# Allegro board reServer industrial J401 Carrier Board v11.brd (continued)
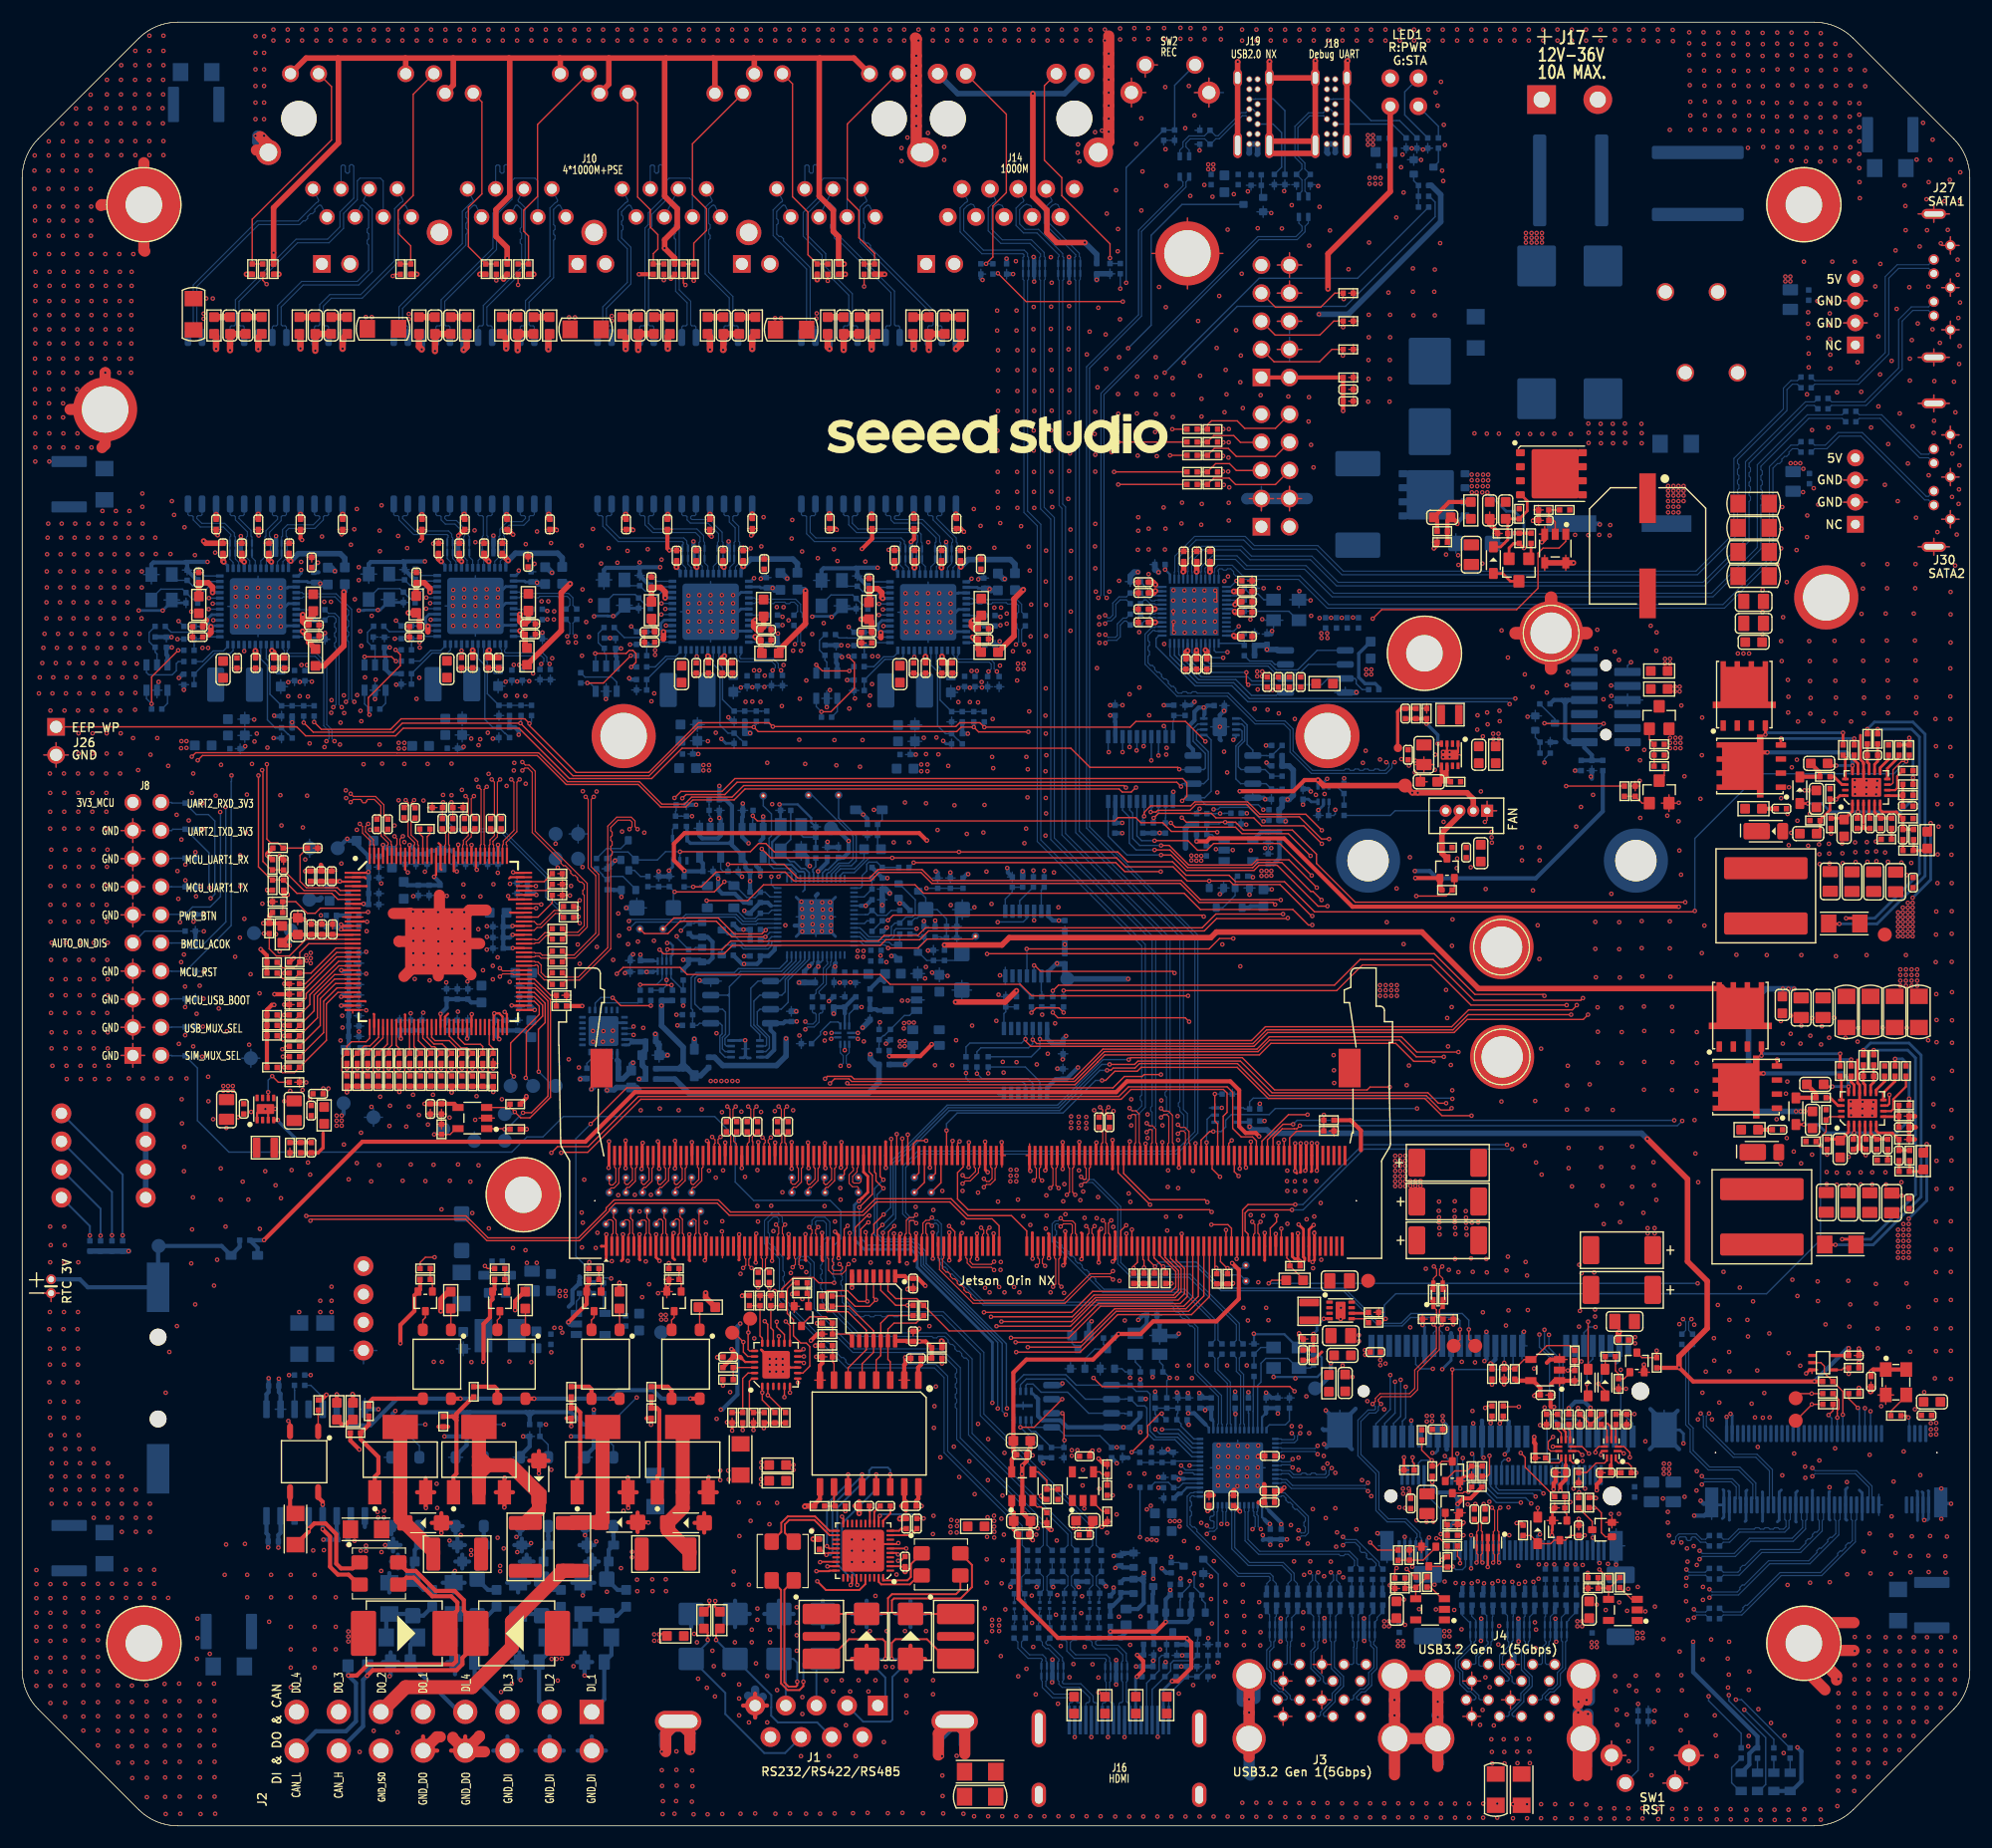
[diagram p0: board, top side]
## Routing (per net, layer and track width the routed paths; a pad name or vN(x,y) marks a point on that pad's centre or on a via; arc(x,y) is an arc through that point) (continued)
  BOTTOM w0.127: v1(90.77,79.25) 90.79,79.23 U6.4
I2C0_INT_GPIO12_3V3: length 63.4
  TOP w0.127: R386.1 v1(63.33,39.79)
  LAY3 w0.127: v1(88.16,81.66) 88.16,81.28 85.79,78.92 85.79,74.27 85.16,73.64 79.37,73.64 75.43,69.7 70.35,69.7 67.39,66.74 67.39,63.97 64.03,60.61 64.03,52.63 62.2,50.8 62.2,40.92 v1(63.33,39.79)
  BOTTOM w0.127: U6.11 90.79,82.01 90.47,81.69 88.18,81.69 v1(88.16,81.66)
I2C0_SCL: length 126
  TOP w0.127: R205.2 v1(100.44,50.4) 100.44,50.58 100.78,50.93 J9.185 ; TP77.1 65.63,45.67 v1(65.63,44.59) 65.6,44.56 65.6,43.06 65.73,42.92 U51.19 ; v1(103.73,123.85) R449.1
  LAY3 w0.127: v1(103.73,123.85) 103.73,123.4 99.53,119.21 99.53,106.6 104.21,101.93 104.21,96.4 100.42,92.61 100.42,88.93 100.71,88.64 100.71,51.76 100.44,51.48 v1(100.44,50.4) 100.44,49.88 99.36,48.8 96.46,48.8 95.53,49.73 85.45,49.73 85.11,50.07 72.78,50.07 72.07,49.36 72.07,47.85 69.34,45.12 67.59,45.12 67.06,44.59 v1(65.63,44.59)
I2C0_SDA: length 129.9
  TOP w0.127: R206.2 v1(101.38,50.45) 101.38,51.09 101.28,51.18 J9.187 ; TP76.1 64.33,44.56 v1(65.17,43.73) 65.17,42.82 65.57,42.42 U51.20 ; v1(103.93,126.22) R450.1
  LAY3 w0.127: v1(103.93,126.22) 104.48,125.66 104.48,123.64 99.81,118.97 99.81,106.72 104.48,102.04 104.48,96.35 100.7,92.56 100.7,89.04 100.99,88.75 100.99,50.84 v1(101.38,50.45) 99.49,48.56 96.21,48.56 95.35,49.43 85.28,49.43 84.97,49.74 72.91,49.74 72.39,49.22 72.39,47.71 69.47,44.79 67.69,44.79 66.49,43.59 65.31,43.59 v1(65.17,43.73)
I2C1_SCL: length 38.2
  TOP w0.127: v1(130.72,44.86) 130.72,43.96 TP74.1 ; J9.189 101.78,51.13 v1(102.37,50.55) 102.32,50.5 R203.2
  BOTTOM w0.127: v1(102.37,50.55) 102.77,50.95 106.09,50.95 108.45,48.59 119.47,48.59 122.65,45.41 124.61,45.41 125.5,46.3 130.12,46.3 130.72,45.7 v1(130.72,44.86) J5.30
I2C1_SDA: length 36.4
  TOP w0.127: v1(129.92,44.86) 129.92,43.94 TP75.1 ; J9.191 102.28,51.33 103.06,50.55 v1(103.11,50.55) 103.33,50.33 R204.2
  BOTTOM w0.127: v1(103.11,50.55) 106.14,50.55 108.33,48.36 119.38,48.36 122.56,45.18 124.7,45.18 125.46,45.94 129.65,45.94 129.92,45.66 v1(129.92,44.86) J5.32
I2C2_M2M_SCL: length 2.9
  TOP w0.127: R220.2 163.63,37.53 v1(163.23,37.13)
  BOTTOM w0.127: J21.40 163.52,36.84 v1(163.23,37.13)
I2C2_M2M_SDA: length 3.9
  TOP w0.127: v1(164.02,36.9) 164.02,37.29 164.02,37.29 164.02,37.53 164.17,37.69 164.17,38.52 R216.2
  BOTTOM w0.127: J21.42 v1(164.02,36.9)
I2C2_SCL: length 227
  TOP w0.127: v1(59.66,92.86) 59.99,93.2 63.49,93.2 64.61,94.31 104.33,94.31 v1(104.72,93.92) ; R485.1 23.78,70.45 v1(23.51,70.18) ; TP79.1 161.72,38.07 v1(161.72,38.09) R220.1 ; J9.232 112.53,62 113.94,63.4 v1(114.85,63.4)
  LAY3 w0.127: v1(59.53,80.9) 59.05,80.9 58.73,80.58 58.73,77.3 59.16,76.87 59.16,75.94 58.83,75.61 58.53,75.61 58.53,75.61 53.02,75.61 47.24,69.83 24.37,69.83 23.84,69.84 v1(23.51,70.18) ; v1(149.29,63.76) 149.42,63.63 149.42,53.13 156.58,45.96 156.58,42.65 161.14,38.09 v1(161.72,38.09) ; v1(114.85,63.4) 114,64.25 113.95,64.48 113.95,70.58 115.08,71.71 115.08,87.48 112.18,90.38 v1(112.18,90.78)
  LAY4 w0.127: v1(107.66,91.86) 107.66,92.08 106.21,93.53 105.12,93.53 v1(104.72,93.92) ; v1(59.66,92.86) 59.45,92.66 59.45,90.15 61.56,88.04 61.56,84.15 59.53,82.12 v1(59.53,80.9)
  BOTTOM w0.127: Q13.2 60.79,81.62 60.72,81.55 R134.2 60.18,81.55 v1(59.53,80.9) ; v1(107.66,91.86) 108.05,91.86 108.24,92.04 110.85,92.04 112.11,90.78 v1(112.18,90.78) 112.26,90.86 R99.2 ; v1(149.29,63.76) 115.21,63.76 v1(114.85,63.4) ; U15.6 106.23,99.07 106.12,98.95 106.12,98.14 107.18,97.07 107.18,94.59 106.77,94.18 U16.6 104.85,94.18 104.72,94.05 v1(104.72,93.92)
I2C2_SDA: length 229.3
  TOP w0.127: v1(115.46,63.27) 115.18,63 114.95,63 114.95,62.99 113.86,62.99 113.03,62.17 J9.234 ; R216.1 v1(161.71,39.06) 160.68,39.06 TP78.1 ; R486.1 v1(23.56,69.51) ; v1(58.95,92.89) 59.54,93.49 63.25,93.49 64.41,94.64 104.87,94.64 105.25,94.26 105.25,93.05 v1(104.82,92.63)
  LAY3 w0.127: v1(150.01,63.71) 149.74,63.44 149.74,53.26 157.04,45.96 157.04,43.67 161.65,39.06 v1(161.71,39.06) ; v1(23.56,69.51) 28.36,69.51 28.41,69.57 47.49,69.57 53.26,75.34 59.35,75.34 59.58,75.57 59.58,77.04 59.15,77.47 v1(59.15,80.39) ; v1(115.46,63.27) 115.18,62.99 114.71,62.99 113.75,63.95 113.72,64.06 113.72,70.68 114.85,71.8 114.85,87.33 111.68,90.5 111.68,91.35 v1(112.15,91.83)
  LAY4 w0.127: v1(59.15,80.39) 59.1,80.44 59.1,82.3 61.13,84.33 61.13,87.86 59.15,89.84 59.15,92.74 59,92.89 v1(58.95,92.89)
  BOTTOM w0.127: v1(104.82,92.63) 105.11,92.91 U16.5 106.31,92.91 ; v1(115.46,63.27) 149.57,63.27 v1(150.01,63.71) ; 106.31,92.91 106.86,92.91 107.44,93.49 107.44,98.13 107,98.57 U15.5 ; 106.31,92.91 106.95,92.27 111.71,92.27 v1(112.15,91.83) R95.2 ; Q15.2 60.85,79.37 60.67,79.19 R143.2 59.15,80.27 v1(59.15,80.39)
I2S1_LRCK: length 41.6
  TOP w0.127: v1(110.58,59.49) 110.53,59.54 J9.224
  LAY3 w0.127: v1(131.02,33.62) 131.02,34.48 129.91,35.59 122.85,35.59 114.83,43.61 114.83,49.83 114.82,49.83 110.58,54.07 v1(110.58,59.49)
  BOTTOM w0.127: J6.28 131.18,33.46 v1(131.02,33.62)
I2S1_SCLK: length 43.5
  TOP w0.127: v1(111.03,61.83) J9.226
  LAY3 w0.127: v1(128.56,33.42) 128.56,33.94 128.06,34.44 122.32,34.44 113.68,43.08 113.68,49.47 109.52,53.64 109.52,60.31 v1(111.03,61.83)
  BOTTOM w0.127: J6.20 129.18,32.8 v1(128.56,33.42)
I2S1_SDIN: length 41.2
  TOP w0.127: J9.222 110.03,59.39 v1(110.02,59.39)
  LAY3 w0.127: v1(110.02,59.39) 110.33,59.08 110.33,53.79 114.44,49.67 114.44,43.44 122.67,35.21 129.38,35.21 130.18,34.4 v1(130.18,33.24)
  BOTTOM w0.127: J6.24 v1(130.18,33.24)
I2S1_SDOUT: length 41.2
  TOP w0.127: v1(109.92,58.73) 109.53,59.12 J9.220
  LAY3 w0.127: v1(129.68,33.64) 129.68,34.32 129.2,34.8 122.52,34.8 114.04,43.28 114.04,49.61 109.82,53.83 109.82,58.63 v1(109.92,58.73)
  BOTTOM w0.127: J6.22 v1(129.68,33.64)
IFP_TERM_EN: length 20.7
  LAY3 w0.381: v1(89.31,21.58) v1(91.67,21.58) v1(93.17,21.58) v1(95.48,21.58) 97.87,21.58 v1(97.93,21.64)
  LAY4 w0.381: v1(97.93,21.64) 98.62,22.33 v1(102.21,22.33)
  BOTTOM w0.381: R244.1 97.55,22.07 97.93,21.69 v1(97.93,21.64) ; R251.1 89.31,21.81 v1(89.31,21.58) ; R250.1 R249.1 91.8,21.72 v1(91.67,21.58) ; v1(93.17,21.58) 93.07,21.68 R248.1 R247.1 ; v1(95.48,21.58) 95.28,21.78 R246.1 R245.1 ; Q19.3 v1(102.21,22.33)
ILIM_DC1: length 2.6
  TOP w0.254: U31.10 168.54,95.55 169.6,96.61 R194.1
ILIM_DC2: length 2.6
  TOP w0.254: U25.10 168.19,66.24 169.24,67.3 R176.1
INTB: length 6.3
  TOP w0.127: R447.1 D77.2 107.68,125.64 109.48,125.64 110.09,125.02 J25.7
JMB_SPI_CS: length 15.4
  BOTTOM w0.127: U75.1 117.02,106.23 115.25,104.46 113.34,104.46 112.77,105.03 107.3,105.03 106.52,105.81 U76.5
JMB_SPI_HOLD: length 4
  BOTTOM w0.127: U75.7 113.2,104.96 112.89,105.26 110.92,105.26 R453.2
JMB_SPI_SCK: length 11.7
  BOTTOM w0.127: U75.6 113.07,103.69 112.84,103.46 111.12,103.46 110.74,103.84 106.54,103.84 104.52,105.86 U76.10
JMB_SPI_SI: length 12.7
  BOTTOM w0.127: U75.5 113.58,102.42 113.33,102.16 111.09,102.16 109.66,103.59 106.32,103.59 104.12,105.78 U76.11
JMB_SPI_SO: length 15.7
  BOTTOM w0.127: U75.2 116.22,104.96 115.48,104.22 113.17,104.22 112.59,104.8 106.94,104.8 105.72,106.02 U76.7
JMB_SPI_WP: length 20.2
  TOP w0.127: v1(110.63,104.24) 110.63,103.87 110.62,103.87 110.62,103.29 v1(110.8,103.12)
  BOTTOM w0.127: v1(110.8,103.12) 117.42,103.12 117.99,103.69 U75.3 120.42,103.69 120.55,103.56 120.55,103.22 121.08,102.69 R452.2 ; U76.9 104.92,105.95 106.63,104.24 v1(110.63,104.24)
LAA_N79_TX_EN_1V8: length 100.8
  TOP w0.127: J9.97 76.78,53.45 76.95,53.62 76.95,54.36 v1(77.84,55.25) ; v1(99.99,69.24) 100.17,69.42 110.26,69.42 113.17,66.5 121.54,66.5 121.8,66.77 v1(123.58,66.77)
  LAY3 w0.127: v1(123.58,66.77) 123.58,64.19 137.1,50.67 v1(137.1,44.4)
  BOTTOM w0.127: J6.60 139.18,32.8 138.84,33.14 138.03,33.14 137.8,33.37 137.8,36.26 138.02,36.48 138.02,42.35 137.1,43.27 v1(137.1,44.4) ; v1(77.84,55.25) 78.48,55.88 78.48,60.02 78.53,60.07 78.53,60.07 83.59,65.13 93.55,65.13 97.67,69.24 v1(99.99,69.24)
LAN_XI: length 4.9
  BOTTOM w0.127: U38.47 16.58,112.45 16.2,112.06 15.4,112.06 C181.1 14.05,112.56 X3.1
LAN_XI_31551945: length 4.9
  BOTTOM w0.127: X4.1 33.69,112.6 C429.1 35.05,112.11 35.84,112.11 36.23,112.49 U30.47
LAN_XI_31557312: length 4.9
  BOTTOM w0.127: U48.47 57.48,111.97 57.09,111.58 56.3,111.58 C466.1 54.95,112.07 X5.1
LAN_XI_31559942: length 4.9
  BOTTOM w0.127: X6.1 74.61,112.03 C506.1 75.96,111.54 76.75,111.54 77.14,111.92 U71.47
LAN_XO: length 2.2
  BOTTOM w0.127: R239.1 16.31,111.42 16.84,111.95 U38.46
LAN_XO_31551942: length 2.2
  BOTTOM w0.127: R552.1 35.95,111.46 36.49,111.99 U30.46
LAN_XO_31557309: length 2.2
  BOTTOM w0.127: R577.1 57.2,110.93 57.74,111.47 U48.46
LAN_XO_31559939: length 2.2
  BOTTOM w0.127: U71.46 77.4,111.42 76.86,110.89 R601.1
LAN_XO_R: length 5.2
  BOTTOM w0.127: R239.2 15.5,110.86 15.4,110.86 C169.1 14.5,111.76 12.53,111.76 11.68,110.91 X3.3
LAN_XO_R_31551943: length 5.2
  BOTTOM w0.127: X4.3 31.32,110.95 32.17,111.8 34.14,111.8 C430.1 35.04,110.9 35.14,110.9 R552.2
LAN_XO_R_31557310: length 5.2
  BOTTOM w0.127: X5.3 52.57,110.43 53.43,111.28 55.39,111.28 C467.1 56.29,110.38 56.39,110.38 R577.2
LAN_XO_R_31559940: length 5.2
  BOTTOM w0.127: X6.3 72.23,110.38 73.08,111.23 75.05,111.23 C507.1 75.95,110.33 76.05,110.33 R601.2
LDO_5V_IN: length 4.8
  TOP w0.381: v1(78.35,69.56) 81.15,69.56 82.19,70.6 v1(82.19,70.64)
  BOTTOM w0.381: R189.1 v1(78.35,69.56)
LED1_CTRL: length 3.2
  BOTTOM w0.127: R4.2 R5.2 R1.2 125.75,148.67 Q1.1
LED_WWAN: length 70.4
  LAY3 w0.127: v1(154.22,11.81) 154.47,11.81 154.88,12.22 154.88,38.31 v1(152.14,41.05)
  LAY4 w0.127: v1(152.14,41.05) 150.61,42.57 128.74,42.57 v1(127.47,41.3)
  BOTTOM w0.127: v1(127.47,41.3) 126.33,41.3 125.92,41.71 J5.42 ; LED3.2 156.96,3.15 157.55,3.74 157.55,7.98 154.22,11.31 v1(154.22,11.81)
M2B_DPR_1V8: length 5.1
  TOP w0.127: Q24.3 128.29,23.45 128.35,23.39 R295.2 128.84,23.44 v1(129.26,23.44)
  BOTTOM w0.127: v1(129.26,23.44) 129.54,23.16 130.15,23.16 130.43,23.44 J6.25
M2B_DPR_3V3: length 69.4
  TOP w0.127: R288.1 122.49,24.92 v1(121.81,25.61) ; v1(68.38,44.25) U51.15
  LAY3 w0.127: v1(68.38,44.25) 81.75,44.25 82.67,43.33 90.09,43.33 96.26,37.16 96.26,30.48 97.39,29.35 99.93,29.35 104.8,24.49 120.69,24.49 v1(121.81,25.61)
M2B_PCIE_HSD4_N: length 33.5
  TOP w0.107: v1(122.79,38.13) 122.55,38.37 122.55,38.52 122.81,38.79 125.47,38.79 126.1,39.42 126.1,41.07 128.06,43.03 128.06,45.06 v1(128.3,45.31) 128.4,45.4 D66.2 128.07,46.12 128.07,46.35 128.07,46.51 128.07,46.64 128.37,46.93 ; R302.1 128.42,47.11 L29.4 128.37,46.93 ; 128.37,46.93 128.37,46.9
  BOTTOM w0.107: J5.36 128.32,44.56 128.06,44.83 128.06,45.06 v1(128.3,45.31) ; v1(122.79,38.13) 122.55,37.88 122.55,37.56 122.3,37.31 121.73,37.31 120.97,36.55 120.97,33.56 122.6,31.93 122.6,28.6 123.46,27.74 125.06,27.74 126.32,26.48 126.32,26.1 126.43,25.99 J6.9
M2B_PCIE_HSD4_P: length 33.4
  TOP w0.107: 127.52,46.92 L29.1 127.48,47.11 R303.1 ; 127.52,46.92 127.8,46.64 127.8,46.62 127.8,46.35 127.8,46.12 D65.2 127.55,45.72 v1(127.55,45.31) 127.79,45.06 127.79,43.14 125.83,41.19 125.83,39.54 125.36,39.06 122.7,39.06 122.28,38.63 122.28,38.37 v1(122.03,38.13) ; 127.52,46.92 127.52,46.92
  BOTTOM w0.107: J5.38 127.52,44.56 127.79,44.83 127.79,45.06 v1(127.55,45.31) ; v1(122.03,38.13) 122.28,37.88 122.28,37.67 122.19,37.58 121.62,37.58 120.7,36.66 120.7,33.44 122.33,31.82 122.33,28.49 123.35,27.47 124.95,27.47 126.05,26.37 126.05,26.1 125.93,25.99 J6.7
M2B_PCIE_RESET: length 141.6
  TOP w0.127: U53.2 139.63,41.19 v1(139.67,41.15) R316.1 R315.2 ; v1(127.54,69.09) 125.75,69.09 124.12,70.72 112.84,70.72 111.8,69.67 97.82,69.67 97.21,69.06 97.21,69.05 95.14,66.97 74.7,66.97 v1(74.56,67.11) ; U51.11 70.64,42.42 v1(70.64,42.42) ; v1(135.41,33.7) 135.82,33.29 135.82,32.41 R327.2
  LAY3 w0.127: v1(127.54,69.09) 127.54,63.77 139.67,51.63 v1(139.67,41.15) 139.67,38.86 140.17,38.36 140.17,36.78 139.41,36.02 138.27,36.02 135.95,33.7 v1(135.41,33.7) ; v1(70.64,42.42) 69.83,43.23 65.07,43.23 64.39,43.91 64.39,50.63 67.39,53.63 67.39,54.42 68.77,55.8 69.51,55.8 70.41,56.69 70.41,61.91 74.56,66.06 v1(74.56,67.11)
M2B_POWER_OFF#: length 39.2
  TOP w0.127: J9.212 107.53,59.37 v1(108.24,58.66) ; R291.1 125.79,32.75 125.65,32.9 v1(125.65,33.3)
  LAY3 w0.127: v1(108.24,58.66) 109.21,57.69 109.21,53.39 113.33,49.28 113.33,42.93 122.24,34.01 124.93,34.01 v1(125.65,33.3)
  BOTTOM w0.127: v1(125.65,33.3) 125.65,32.9 125.68,32.86 J6.6
M2B_SSRX4_N: length 5.3
  TOP w0.107: C43.1 131.58,27.35 131.58,26.72 131.44,26.58 U43.5 U43.6 131.44,24.62 131.55,24.5 131.55,23.92 v1(131.42,23.79)
  BOTTOM w0.107: v1(131.42,23.79) 131.43,23.8 J6.29
M2B_SSRX4_P: length 5.3
  TOP w0.107: v1(131.96,23.79) 131.82,23.93 131.82,24.5 131.94,24.62 U43.7 U43.4 131.94,26.58 131.85,26.67 131.85,27.36 C44.1
  BOTTOM w0.107: v1(131.96,23.79) 131.93,23.82 J6.31
M2B_SSTX4_N: length 82.6
  TOP w0.107: v1(132.92,23.79) 133.05,23.92 133.05,24.5 132.94,24.62 U43.9 U43.2 132.94,26.58 133.05,26.69 133.05,28.51 v1(132.81,28.76) ; C216.1 v1(66.51,48.65)
  LAY4 w0.084: v1(132.81,28.76) 133.07,29.02 133.07,29.83 131.31,31.59 126.49,31.59 125.42,32.66 121.79,32.66 116.48,37.97 91.07,37.97 84.77,44.27 75.48,44.27 72.79,46.96 67.66,46.96 66.9,47.73 66.9,48.24 66.51,48.63 v1(66.51,48.65)
  BOTTOM w0.107: v1(132.92,23.79) 132.93,23.8 J6.35
M2B_SSTX4_P: length 82.6
  TOP w0.107: v1(133.57,28.76) 133.32,28.51 133.32,26.69 133.44,26.58 U43.1 U43.10 133.44,24.62 133.32,24.5 133.32,23.93 v1(133.46,23.79) ; C217.1 v1(67.52,48.63)
  LAY4 w0.084: v1(133.57,28.76) 133.31,29.02 133.31,29.93 131.41,31.83 126.59,31.83 125.52,32.9 121.89,32.9 116.58,38.2 91.17,38.2 84.87,44.5 75.58,44.5 72.89,47.2 67.76,47.2 67.13,47.82 67.13,48.24 v1(67.52,48.63)
  BOTTOM w0.107: J6.37 133.43,23.82 v1(133.46,23.79)
M2B_STATUS_LED: length 45
  LAY3 w0.127: v1(128.19,26.37) 128.77,25.78 141.06,25.78 141.83,25.02 143.4,25.02 152.82,15.6 152.82,12.14 v1(152.39,11.71)
  BOTTOM w0.127: v1(128.19,26.37) 128.19,28.63 126.68,30.13 J6.10 ; R59.2 155.34,8.36 152.39,11.31 v1(152.39,11.71)
M2B_SUSCLK_32KHZ: length 67.4
  LAY3 w0.127: v1(141.23,30.47) 141.5,30.47 143.34,32.31 145.73,32.31 146.25,32.83 146.25,35.53 143.88,37.9 143.88,50.32 129.58,64.63 129.58,65.36 v1(129.24,65.7)
  BOTTOM w0.127: v1(129.24,65.7) 129.17,65.76 111.24,65.76 110.92,65.44 R195.2 110.45,64.79 110.35,64.89 U33.4 ; v1(141.23,30.47) 141.18,30.52 J6.68
M2B_USIM_CLK: length 18.7
  TOP w0.127: v1(145.28,33.3) 145.28,33.74 144.74,34.27 U46.2
  LAY3 w0.127: v1(145.28,33.3) 145.2,33.22 143.12,33.22 141.34,31.45 140.02,31.45 139.42,30.84 139.42,29.9 138.65,29.14 v1(136.36,29.14)
  BOTTOM w0.127: J6.32 132.18,30.73 133.27,29.64 135.86,29.64 v1(136.36,29.14)
M2B_USIM_DATA: length 15.2
  TOP w0.127: U46.6 142.46,34.27 142.17,33.98 v1(142.17,33.75)
  LAY3 w0.127: v1(136.76,29.76) 137.04,29.48 137.62,29.48 137.94,29.8 137.94,31.04 138.63,31.73 141.13,31.73 142.17,32.76 v1(142.17,33.75)
  BOTTOM w0.127: J6.34 132.68,30.68 133.33,30.04 136.48,30.04 v1(136.76,29.76)
M2B_USIM_PWR: length 14.3
  TOP w0.127: v1(141.58,33.65) 140.96,34.27 U45.2
  LAY3 w0.127: v1(137.47,30.04) 137.47,31.15 138.29,31.98 141.06,31.98 141.58,32.5 v1(141.58,33.65)
  BOTTOM w0.127: v1(137.47,30.04) 137.16,30.35 133.45,30.35 133.18,30.61 J6.36
M2B_USIM_RST: length 12.1
  TOP w0.127: U45.6 v1(138.32,34.27)
  LAY3 w0.127: v1(135.42,29.21) 135.42,29.8 138.32,32.69 v1(138.32,34.27)
  BOTTOM w0.127: v1(135.42,29.21) 133.21,29.21 131.68,30.74 J6.30
M2B_W_DISABLE1#: length 71.6
  TOP w0.127: v1(84.71,61.85) 84.53,61.67 J9.128 ; R307.1 132.38,31.59 132.59,31.79 v1(132.59,33.45)
  LAY3 w0.127: v1(114.33,54.41) 114.33,51.06 115.82,49.57 115.82,43.13 123.03,35.92 130.34,35.92 132.59,33.67 v1(132.59,33.45)
  LAY4 w0.127: v1(114.33,54.41) 114.33,54 113.4,53.07 111.24,53.07 109.07,55.23 109.07,56.48 104.77,60.78 98.65,60.78 97.21,62.22 85.08,62.22 v1(84.71,61.85)
M2B_W_DISABLE2#: length 79
  TOP w0.127: v1(130.24,26.26) R296.1 ; J9.126 84.03,61.85 v1(84.08,61.9)
  LAY3 w0.127: v1(105.8,59.19) 105.6,59 105.6,49.13 103.21,46.73 103.21,39.71 104.5,38.42 114.69,38.42 119.77,33.33 119.77,31.38 124.07,27.08 129.43,27.08 130.24,26.27 v1(130.24,26.26)
  LAY4 w0.127: v1(105.8,59.19) 105.02,59.98 98.23,59.98 96.87,61.34 84.63,61.34 v1(84.08,61.9)
M2B_WOWWAN#_1V8: length 86.2
  TOP w0.127: v1(104.13,77.07) 103.98,77.22 92.04,77.22 91.51,77.75 v1(91.44,77.75) ; v1(127.79,25.98) 128.09,25.98 R298.2
  LAY3 w0.127: v1(104.13,77.07) 103.83,76.76 103.83,65.86 105.29,64.41 105.29,49.26 102.89,46.87 102.89,39.49 104.28,38.1 114.62,38.1 119.46,33.27 119.46,31.27 123.95,26.77 127.09,26.77 127.79,26.08 v1(127.79,25.98)
  BOTTOM w0.127: U6.3 v1(91.44,77.75)
M2B_WOWWAN#_3V3: length 52.4
  TOP w0.127: U51.14 68.88,44.4 68.19,45.09 v1(68.19,45.55)
  LAY3 w0.127: v1(68.19,45.55) 68.72,46.09 68.72,51.84 69.94,53.06 69.94,54.92 71.82,56.79 71.82,62.01 79.27,69.45 85.19,69.45 87.16,71.42 87.16,77.49 91.44,81.77 v1(91.44,81.83)
  BOTTOM w0.127: U6.12 v1(91.44,81.83)
M2M_ALERT*: length 8
  TOP w0.127: v1(164.52,37.15) 164.52,39.26 R213.2 162.85,40.93 162.85,41.55 162.54,41.86 U34.2
  BOTTOM w0.127: J21.44 v1(164.52,37.15)
M2M_ALERT_3V3: length 93.3
  TOP w0.127: U34.4 164.43,41.21 164.61,41.39 R212.2 v1(165.05,40.85) ; J9.130 85.03,59.54 84.52,59.03 84.52,56.64 85.49,55.68 107.28,55.68 v1(107.49,55.48)
  LAY4 w0.127: v1(165.05,40.85) 165.05,41.12 153.33,52.83 110.86,52.83 108.27,55.43 107.54,55.43 v1(107.49,55.48)
M2M_SUSCLK_32KHZ: length 2.2
  TOP w0.127: R237.2 170.29,37.07 v1(170.45,36.91)
  BOTTOM w0.127: v1(170.45,36.91) 170.52,36.84 J21.68
M.2_WLAN_TX_EN_1V8: length 77.4
  TOP w0.127: J9.112 80.53,61.63 80.82,61.92 v1(81.69,61.92)
  LAY3 w0.127: v1(134.31,33.1) 133.62,33.1 130.55,36.17 123.18,36.17 116.07,43.28 v1(116.07,54.81)
  LAY4 w0.127: v1(116.07,54.81) 113.83,54.81 113.04,54.02 110.61,54.02 109.3,55.33 109.3,56.63 104.92,61.01 98.78,61.01 97.32,62.46 82.23,62.46 v1(81.69,61.92)
  BOTTOM w0.127: v1(134.31,33.1) 133.91,33.1 133.68,32.87 J6.38
MCT: length 7.3
  LAY3 w0.381: J14.1 85.91,143.13 87.45,143.13 v1(88.96,141.62)
  BOTTOM w0.381: C184.1 v1(88.96,141.62)
MCU_ADC0: length 10.5
  BOTTOM w0.127: U23.38 75.71,81.15 76.52,80.34 78.31,80.34 78.54,80.57 78.54,81.26 78.87,81.59 R132.1 79.86,82.14 80.45,82.14 80.7,82.4 80.7,83.69 79.26,85.13 Q9.2
MCU_ADC1: length 14
  LAY3 w0.127: v1(80.83,81.08) 80.83,83.84 v1(81.72,84.73)
  BOTTOM w0.127: R121.2 R122.1 C88.1 v1(81.72,84.73) ; U23.39 75.71,80.75 76.37,80.09 78.49,80.09 78.8,80.39 78.8,80.9 78.97,81.08 v1(80.83,81.08)
MCU_ADC2: length 5.4
  BOTTOM w0.127: R139.1 79.3,79.74 Q14.2 78.6,79.6 78.34,79.86 76.2,79.86 75.71,80.35 U23.40
MCU_ADC3: length 11.7
  TOP w0.127: TP4.1 85.89,80.14 81.78,80.14 80.97,79.33 v1(78.25,79.33)
  BOTTOM w0.127: v1(78.25,79.33) 77.97,79.6 76.06,79.6 75.71,79.95 U23.41
MCU_I2C0_SCL: length 6.2
  BOTTOM w0.127: Q13.3 63.32,80.96 63.74,80.54 R136.2 65.33,79.48 67.19,79.48 67.47,79.75 67.47,80.09 67.73,80.35 U23.3
MCU_I2C0_SDA: length 6.3
  BOTTOM w0.127: Q15.3 63.22,79.24 63.58,79.6 R142.2 64.83,79.6 65.18,79.25 67.42,79.25 67.72,79.55 67.72,79.83 67.84,79.95 U23.2
MCU_I2C1_SCL: length 12.1
  TOP w0.127: v1(67.19,80.95) 66.85,80.61 64.34,80.61 62.91,82.04 58.89,82.04 TP6.1
  BOTTOM w0.127: R135.2 67.14,81 v1(67.19,80.95) 67.39,81.15 U23.5
MCU_I2C1_SDA: length 14.4
  TOP w0.127: v1(67.16,80.34) 64.13,80.34 62.72,81.75 59.47,81.75 58.36,80.64 56.24,80.64 TP5.1
  BOTTOM w0.127: R140.2 66.88,80.06 v1(67.16,80.34) 67.57,80.75 U23.4
MCU_RST: length 87.8
  TOP w0.127: 76.93,91.78 v1(76.97,91.82)
  LAY3 w0.127: v1(76.97,91.82) 74.17,94.62 51.9,94.62 49.36,97.15 41.97,97.15 39.33,94.52 19.33,94.52 v1(18.92,94.93)
  BOTTOM w0.127: v1(18.92,94.93) 18.92,94.39 18.89,94.36 18.89,81.36 14.76,77.23 D28.2 13.51,77.23 13.5,77.24 J8.8 ; v1(76.97,91.82) D26.1 77.71,90.91 R100.2 C76.1 77.3,88.57 FB3.1
MCU_UART1_RX: length 65.6
  LAY3 w0.127: v1(14.75,86.87) 15.26,86.87 19.83,91.44 47.95,91.44 51.86,87.53 51.86,82.76 52.85,81.77 v1(54.83,81.77)
  BOTTOM w0.127: U23.7 66.5,81.95 66.29,81.74 65.16,81.74 64.53,82.37 59.98,82.37 59.53,81.92 54.98,81.92 v1(54.83,81.77) ; v1(14.75,86.87) 14.75,87.43 D23.2 13.54,87.45 13.5,87.4 J8.16
MCU_UART1_TX: length 66.5
  LAY3 w0.127: v1(54.86,81.08) 52.9,81.08 51.45,82.53 51.45,87.45 47.74,91.16 20.46,91.16 v1(14.75,85.45)
  BOTTOM w0.127: v1(54.86,81.08) 55.45,81.67 59.63,81.67 60.09,82.13 64.41,82.13 65.06,81.48 66.36,81.48 66.42,81.55 U23.6 ; J8.14 13.5,84.86 13.5,84.86 D24.2 14.75,84.88 v1(14.75,85.45)
MCU_USB_BOOT: length 52.3
  LAY3 w0.127: v1(59.12,73.3) 58.77,72.95 51.43,72.95 47.77,69.29 28.69,69.29 28.44,69.04 18.61,69.04 14.73,72.92 v1(14.73,73.99)
  BOTTOM w0.127: R169.2 v1(59.12,73.3) ; J8.6 13.5,74.7 13.53,74.74 D30.2 v1(14.73,73.99)
MCU_USB_DN: length 8.6
  LAY4 w0.084: v1(70.77,71.98) 71.01,72.21 73.98,72.21 74.21,71.98 74.21,71.74 74.13,71.66 v1(73.14,71.66)
  BOTTOM w0.107: R161.1 72.34,73.56 72.24,73.45 72.12,73.45 72.01,73.35 72.01,72.63 71.57,72.19 70.99,72.19 v1(70.77,71.98) ; U29.7 v1(73.14,71.66)
MCU_USB_DP: length 8.6
  LAY4 w0.084: v1(70.77,72.68) 71.01,72.45 74.08,72.45 74.45,72.08 74.45,71.74 74.53,71.66 v1(75.52,71.66)
  BOTTOM w0.107: U29.1 v1(75.52,71.66) ; v1(70.77,72.68) 70.99,72.46 71.46,72.46 71.74,72.74 71.74,73.35 71.63,73.45 71.51,73.45 71.4,73.56 R162.1
MOD_SLEEP*: length 204.2
  TOP w0.127: J9.178 99.03,59.03 v1(101.92,56.14) ; R218.1 v1(98.54,29.87)
  LAY3 w0.127: v1(104.97,132.23) 105.02,132.18 105.02,123.42 100.35,118.74 100.35,106.94 105.02,102.26 105.02,95.1 103.42,93.5 103.42,87.63 102.11,86.32 102.11,61.84 101.92,61.65 v1(101.92,56.14) 101.92,48.52 98.54,45.14 v1(98.54,29.87)
  LAY4 w0.127: v1(98.54,29.87) 95.98,29.87 95.03,30.82 90.41,30.82 81.13,40.11 72.69,40.11 72.31,40.49 65.87,40.49 63.29,43.07 63.29,48.73 62.37,49.65 53.41,49.65 v1(53.23,49.46)
  BOTTOM w0.127: v1(53.23,49.46) 53.17,49.52 52.09,49.52 51.63,49.06 R67.1 ; R5.1 127.16,147.26 127.68,146.74 127.68,145.42 119.58,137.31 109.8,137.31 105.02,132.54 105.02,132.29 v1(104.97,132.23)
MODE_0: length 97.6
  TOP w0.178: U42.29 72.94,23.46 72.92,23.45 v1(72.76,23.45)
  LAY3 w0.178: v1(72.76,23.45) 72.76,22.35 71.95,21.54 66.84,21.54 62.86,25.52 53.77,25.52 52.39,26.89 37.73,26.89 36.67,25.82 31.67,25.82 30.18,27.31 15.51,27.31 7.43,35.38 7.43,52.04 v1(6.12,53.35)
  BOTTOM w0.178: SW3.1 6.12,54.2 v1(6.12,53.35) R391.2
MODE_1: length 101.9
  TOP w0.178: U42.36 76.2,21.86 75.65,21.31 72.64,21.31 v1(71.85,22.1)
  LAY3 w0.178: v1(7.09,53.33) 7.87,52.56 7.87,35.56 15.74,27.69 30.41,27.69 31.85,26.25 36.49,26.25 37.56,27.32 52.57,27.32 53.94,25.95 63.04,25.95 66.89,22.1 v1(71.85,22.1)
  BOTTOM w0.178: R392.2 v1(7.09,53.33) 7.09,55.77 SW3.2
MODE_2: length 101.5
  TOP w0.178: v1(72.1,23.83) 72.14,23.86 U42.28
  LAY3 w0.178: v1(8.12,53.37) 8.27,53.21 8.27,35.82 15.92,28.17 30.54,28.17 32.03,26.69 36.31,26.69 37.38,27.75 52.75,27.75 54.12,26.38 63.22,26.38 67.06,22.53 72,22.53 72.2,22.74 72.2,23.73 v1(72.1,23.83)
  BOTTOM w0.178: SW3.3 8.12,57.28 v1(8.12,53.37) R393.2
MODULE_ID: length 62.7
  TOP w0.127: J9.217 v1(108.78,53.85) ; v1(106.77,82.17) 106.65,82.3 78.7,82.3 v1(78.24,81.84)
  LAY3 w0.127: v1(108.78,53.85) 108.78,57.03 107.79,58.02 107.79,60.22 108.83,61.25 108.83,62.7 109.49,63.36 109.49,66.3 109.05,66.74 109.05,76.99 106.77,79.27 v1(106.77,82.17)
  BOTTOM w0.127: R137.2 77.16,81.22 77.16,81.22 77.72,81.78 R131.2 78.19,81.79 v1(78.24,81.84)
MR: length 1.8
  BOTTOM w0.127: R76.2 101.05,41.46 100.59,41.92 U13.3
MXA_N: length 20.6
  BOTTOM w0.102: J10.A2 27.03,146.43 26.9,146.47 26.77,146.41 26.44,146.08 26.44,145.9 26.23,145.69 26.05,145.69 25.8,145.43 25.8,145.25 25.58,145.04 25.4,145.04 25.07,144.71 21.38,144.71 15.79,139.11 15.79,135.66 15.89,135.56 16.16,135.56 16.26,135.46 T1.14
MXA_N_31552080: length 16.5
  BOTTOM w0.102: T2.14 34.85,135.46 34.75,135.56 34.48,135.56 34.38,135.66 34.38,137.13 40.1,142.85 40.1,143.82 40.23,143.94 40.23,144.25 40.1,144.38 40.1,144.81 40.23,144.93 40.23,145.24 40.1,145.37 40.1,145.77 40.74,146.41 40.87,146.47 41,146.43 J10.B2
MXA_N_31557447: length 15.4
  BOTTOM w0.102: T3.14 53.27,135.46 53.16,135.56 52.9,135.56 52.79,135.66 52.79,137.13 55.01,139.35 55.01,142.65 54.17,143.49 54.17,144.14 54.3,144.27 54.3,144.57 54.17,144.7 54.17,145.01 54.3,145.13 54.3,145.44 54.17,145.56 54.17,145.87 54.71,146.41 54.84,146.47 54.97,146.43 J10.C2
MXA_N_31560077: length 15.4
  BOTTOM w0.102: J10.D2 68.94,146.43 68.81,146.47 68.73,146.43 68.19,145.89 68.19,145.24 68.31,145.11 68.31,144.81 68.19,144.68 68.19,143.85 68.4,143.63 68.58,143.63 68.8,143.42 68.8,143.24 71.21,140.82 71.21,135.66 71.31,135.56 71.58,135.56 71.68,135.46 T4.14
MXA_P: length 20.8
  BOTTOM w0.102: J10.A1 26.8,146.9 26.75,146.76 26.58,146.67 24.93,145.03 21.24,145.03 15.46,139.25 15.46,135.66 15.36,135.56 15.09,135.56 14.99,135.46 T1.13
MXA_P_31552078: length 16.7
  BOTTOM w0.102: J10.B1 40.77,146.9 40.72,146.76 40.55,146.67 39.77,145.9 39.77,142.99 34.05,137.27 34.05,135.66 33.95,135.56 33.68,135.56 33.58,135.46 T2.13
MXA_P_31557445: length 15.6
  BOTTOM w0.102: J10.C1 54.74,146.9 54.69,146.76 54.52,146.67 53.84,146 53.84,143.35 54.68,142.51 54.68,139.48 52.47,137.27 52.47,135.66 52.37,135.56 52.1,135.56 52,135.46 T3.13
